# Allegro board SDHCalFEB.brd (continued)
## Routing (per net, layer and track width the routed paths; a pad name or vN(x,y) marks a point on that pad's centre or on a via; arc(x,y) is an arc through that point) (continued)
ANALOGIN61_ASIC_C4: length 47.8
  TOP w0.127: U780.53 54.19,114.04 61.48,106.75 C1018.2
ANALOGIN62_ASIC_A1: length 35
  TOP w0.127: U65.54 294.87,274.09 300.71,268.25 C62.2
ANALOGIN62_ASIC_A2: length 34.6
  TOP w0.127: U130.54 214.86,274.75 221.37,268.24 C149.2
ANALOGIN62_ASIC_A3: length 34.7
  TOP w0.127: C236.2 141.29,268.19 134.85,274.63 U195.54
ANALOGIN62_ASIC_A4: length 34.5
  TOP w0.127: C323.2 61.46,268.24 54.84,274.86 U260.54
ANALOGIN62_ASIC_B1: length 35.2
  TOP w0.127: C410.2 300.33,188.24 294.87,193.7 U325.54
ANALOGIN62_ASIC_B5: length 35
  TOP w0.127: U390.54 214.86,194.06 220.67,188.24 C497.2
ANALOGIN62_ASIC_B6: length 35
  TOP w0.127: U455.54 134.85,193.96 140.53,188.27 C584.2
ANALOGIN62_ASIC_B7: length 35
  TOP w0.127: U520.54 54.84,194.03 60.6,188.27 C671.2
ANALOGIN62_ASIC_C1: length 35
  TOP w0.127: U585.54 294.87,113.89 300.5,108.26 C758.2
ANALOGIN62_ASIC_C2: length 35.1
  TOP w0.127: C845.2 220.47,108.26 214.86,113.87 U650.54
ANALOGIN62_ASIC_C3: length 34.9
  TOP w0.127: U715.54 134.85,114.17 140.74,108.28 C932.2
ANALOGIN62_ASIC_C4: length 34.8
  TOP w0.127: U780.54 54.84,114.35 60.92,108.27 C1019.2
ANALOGIN63_ASIC_A1: length 22.1
  TOP w0.127: U65.55 295.52,274.41 300.22,269.71 C63.2
ANALOGIN63_ASIC_A2: length 21.7
  TOP w0.127: C150.2 220.84,269.74 215.51,275.07 U130.55
ANALOGIN63_ASIC_A3: length 21.8
  TOP w0.127: C237.2 140.66,269.67 135.5,274.84 U195.55
ANALOGIN63_ASIC_A4: length 21.7
  TOP w0.127: U260.55 55.49,275.04 60.79,269.74 C324.2
ANALOGIN63_ASIC_B1: length 22.3
  TOP w0.127: U325.55 295.52,193.94 299.72,189.74 C411.2
ANALOGIN63_ASIC_B5: length 22.1
  TOP w0.127: U390.55 215.51,194.22 219.99,189.74 C498.2
ANALOGIN63_ASIC_B6: length 22.1
  TOP w0.127: C585.2 139.9,189.77 135.5,194.17 U455.55
ANALOGIN63_ASIC_B7: length 22.1
  TOP w0.127: U520.55 55.49,194.32 60.04,189.77 C672.2
ANALOGIN63_ASIC_C1: length 22.1
  TOP w0.127: C759.2 299.87,109.76 295.52,114.11 U585.55
ANALOGIN63_ASIC_C2: length 22.2
  TOP w0.127: U650.55 215.51,114.03 219.81,109.73 C846.2
ANALOGIN63_ASIC_C3: length 22.1
  TOP w0.127: C933.2 140.05,109.76 135.5,114.31 U715.55
ANALOGIN63_ASIC_C4: length 21.9
  TOP w0.127: C1020.2 60.34,109.77 55.49,114.62 U780.55
ANALOGIN64_ASIC_A1: length 14.9
  TOP w0.127: U65.56 296.17,274.7 300.11,270.76 C64.2
ANALOGIN64_ASIC_A2: length 14.6
  TOP w0.127: C151.2 220.59,270.78 216.16,275.21 U130.56
ANALOGIN64_ASIC_A3: length 14.6
  TOP w0.127: U195.56 136.15,275.13 140.58,270.7 C238.2
ANALOGIN64_ASIC_A4: length 14.6
  TOP w0.127: C325.2 60.59,270.73 56.14,275.18 U260.56
ANALOGIN64_ASIC_B1: length 15
  TOP w0.127: U325.56 296.17,194.23 299.69,190.71 C412.2
ANALOGIN64_ASIC_B5: length 15
  TOP w0.127: U390.56 216.16,194.48 219.96,190.68 C499.2
ANALOGIN64_ASIC_B6: length 15
  TOP w0.127: C586.2 139.82,190.71 136.15,194.38 U455.56
ANALOGIN64_ASIC_B7: length 14.9
  TOP w0.127: C673.2 60.02,190.71 56.14,194.59 U520.56
ANALOGIN64_ASIC_C1: length 15
  TOP w0.127: C760.2 299.79,110.72 296.17,114.35 U585.56
ANALOGIN64_ASIC_C2: length 15
  TOP w0.127: U650.56 216.16,114.37 219.81,110.72 C847.2
ANALOGIN64_ASIC_C3: length 14.9
  TOP w0.127: C934.2 140.03,110.7 136.15,114.58 U715.56
ANALOGIN64_ASIC_C4: length 14.7
  TOP w0.127: U780.56 56.14,114.91 60.36,110.68 C1021.2
ANALOGPOWERGOOD: length 26.7
  TOP w0.127: U1076.4 377.66,102.42 v1(377.39,102.16) ; R2597.2 D7.1 v1(365.05,89.76)
  SIG1 w0.127: v1(377.39,102.16) 377.39,93.19 376.5,92.3 367.59,92.3 v1(365.05,89.76)
AUTO_CALIA: length 670.7
  TOP w0.127: v2(245.97,273.81) R152.1 ; v2(313.33,115.03) R734.1 ; R1151.1 v2(243.71,34.87) ; R68.1 v2(315.4,273.02) R69.1 ; v2(245.75,194.89) R485.1 ; v2(314.2,194.89) R401.1 ; R1359.1 v1(191.47,344.81) ; R1067.1 v1(306.63,34.16) ; v2(245.34,114.49) R818.1
  GND1 w0.127: v3(312.6,115.03) v2(313.33,115.03) ; v3(315.4,272.29) v2(315.4,273.02) ; v2(245.97,273.81) v3(246.71,273.81) ; v2(243.71,34.87) v3(244.45,34.87) ; v3(246.08,114.49) v2(245.34,114.49) ; v3(313.46,194.89) v2(314.2,194.89) ; v3(246.48,194.89) v2(245.75,194.89)
  SIG1 w0.127: v1(191.47,344.81) 219.91,316.36 219.91,311.73 227.36,304.29 227.36,284.89 235.43,276.81 243.71,276.81 v3(246.71,273.81) 248.58,271.94 248.58,196.98 v3(246.48,194.89) 246.48,149.5 246.61,149.38 246.61,115.03 v3(246.08,114.49) 246.08,49.3 244.45,47.68 v3(244.45,34.87) 247.87,31.45 303.91,31.45 v1(306.63,34.16) 308.2,35.74 308.2,110.63 v3(312.6,115.03) 312.6,120.7 308.76,124.54 308.76,182.5 313.46,187.2 v3(313.46,194.89) 313.46,200.38 305.97,207.87 305.97,262.85 v3(315.4,272.29)
AUTO_CALIB: length 674.9
  TOP w0.127: v2(166.27,195.06) R568.1 ; v2(85.83,194.06) R651.1 ; R1361.1 v1(191.11,354.1) ; v2(164.77,274.29) R235.1 ; R403.1 76.96,272.32 v2(76.96,273.28) R318.1 ; v2(86.11,113.49) R984.1 ; R1234.1 v2(165.28,34.36) ; R1317.1 v2(85.47,34.38) ; v2(165.68,115.31) R901.1
  GND1 w0.127: v2(164.77,274.29) v3(165.51,274.29) ; v2(166.27,195.06) v3(165.53,195.06) ; v2(165.28,34.36) v3(166.01,34.36) ; v2(165.68,115.31) v3(165.68,116.04) ; v3(76.96,272.54) v2(76.96,273.28) ; v2(85.47,34.38) v3(86.21,34.38) ; v2(85.83,194.06) v3(85.83,193.32) ; v3(85.37,113.49) v2(86.11,113.49)
  SIG1 w0.127: v1(191.11,354.1) 187.71,350.7 187.71,296.49 v3(165.51,274.29) 165.51,195.09 v3(165.53,195.06) 164.62,194.15 164.62,146.13 165.68,145.06 v3(165.68,116.04) 163.88,114.24 163.88,43.18 166.01,41.05 v3(166.01,34.36) 162.52,30.86 88.39,30.86 86.2,33.05 86.2,34.38 ; 86.2,34.38 v3(86.21,34.38) ; 86.2,34.38 86.2,62.69 84.48,64.41 84.48,112.6 v3(85.37,113.49) 85.37,192.86 v3(85.83,193.32) 85.48,193.66 85.48,264.02 v3(76.96,272.54)
CALI_CS#: length 203.3
  TOP w0.127: J35.B26 369.26,257.94 356.54,270.66 356.54,332.82 332.87,356.49 269.54,356.49 268.74,355.69 U1044.3
CALI_DIN: length 197.7
  TOP w0.127: J35.A25 v1(394.75,256.67) ; v1(271.28,352.71) U1044.1
  SIG3 w0.127: v1(394.75,256.67) 394.14,256.06 368.45,256.06 354.84,269.67 354.84,324.36 326.49,352.71 v1(271.28,352.71)
CALI_EXT_ASIC_A1: length 9.4
  TOP w0.127: C66.1 336.18,315.04 336.19,315.05 R71.1 341.65,315.05 J1.1
CALI_EXT_ASIC_A2: length 6.5
  TOP w0.127: J3.1 251.77,327.01 R154.1 251.76,325.52 C153.1
CALI_EXT_ASIC_A3: length 6.2
  TOP w0.127: C240.1 R237.1 J5.1
CALI_EXT_ASIC_A4: length 6.5
  TOP w0.127: J7.1 R320.1 92.43,325.59 C327.1
CALI_EXT_ASIC_B1: length 6.3
  TOP w0.127: J9.1 R404.1 333.01,245.65 C414.1
CALI_EXT_ASIC_B5: length 6.1
  TOP w0.127: C501.1 251.82,246.21 251.81,246.21 R487.1 J11.1
CALI_EXT_ASIC_B6: length 6.9
  TOP w0.127: C588.1 170.97,247.11 R570.1 J13.1
CALI_EXT_ASIC_B7: length 6.5
  TOP w0.127: J15.1 R653.1 91.44,247.23 C675.1
CALI_EXT_ASIC_C1: length 6.4
  TOP w0.127: J17.1 R737.1 332.87,167.17 C762.1
CALI_EXT_ASIC_C2: length 6.8
  TOP w0.127: C849.1 251.98,165.75 R820.1 J19.1
CALI_EXT_ASIC_C3: length 6.1
  TOP w0.127: C935.1 172.1,165.37 R903.1 J21.1
CALI_EXT_ASIC_C4: length 6.2
  TOP w0.127: C1022.1 91.69,165.63 R986.1 J23.1
CALI_EXT_ASIC_D1: length 6.3
  TOP w0.127: C1109.1 332.4,85.66 R1070.1 J25.1
CALI_EXT_ASIC_D2: length 6.1
  TOP w0.127: C1197.1 251.43,85.46 R1153.1 J27.1
CALI_EXT_ASIC_D3: length 6.2
  TOP w0.127: J29.1 R1236.1 172.43,85.31 C1284.1
CALI_EXT_ASIC_D4: length 6.1
  TOP w0.127: C1371.1 91.84,85.64 R1319.1 J31.1
CALI_SCK: length 200.9
  TOP w0.127: U1044.2 v1(270.01,355.05) ; J35.A27 v1(394.75,259.21)
  SIG3 w0.127: v1(270.01,355.05) 330.78,355.05 357,328.83 357,269.88 366.37,260.5 393.46,260.5 v1(394.75,259.21)
CALI_SIGNAL_A: length 6.7
  TOP w0.127: U1042.3 212.98,345.58 R1358.1 213,345.57 C1396.1 ; U1043.2 215.12,345.54 C1396.1 ; C1396.1 215.16,345.57 R1346.1
CALI_SIGNAL_B: length 7.3
  TOP w0.127: C1397.1 214.7,352.59 U1046.2 ; C1397.1 211.81,352.57 R1360.1 211.79,352.59 U1047.3 ; C1397.1 214.73,352.58 R1353.1
CALI_SW_A: length 251.5
  TOP w0.127: U1043.4 215.57,342.77 236.6,342.77 238.89,340.49 346.84,340.49 355.52,331.8 355.52,270.08 370.2,255.4 J35.B24
CALI_SW_B: length 255.3
  TOP w0.127: J35.A29 v1(394.75,261.75) ; v1(215.65,357.58) U1046.4
  SIG3 w0.127: v1(215.65,357.58) 332.92,357.58 359.26,331.24 359.26,272.01 368.77,262.5 394.14,262.5 394.75,261.89 v1(394.75,261.75)
CHIPSATB_A: length 358.2
  TOP w0.127: v2(233.4,302.72) U130.108 ; U65.108 315.59,302.72 315.6,302.72 v2(315.87,302.72) ; U195.108 154.57,302.72 v2(153.39,302.72) ; U260.108 v2(73.38,302.72) ; v1(391.92,242.7) J35.B14
  TOP w0.508: R80.2 390.29,242.7 v1(391.92,242.7)
  GND1 w0.127: v3(316.61,302.71) 316.31,302.71 316.3,302.72 v2(315.87,302.72) ; v2(73.38,302.72) v3(74.12,302.72) ; v3(234.14,302.72) v2(233.4,302.72) ; v3(154.13,302.72) v2(153.39,302.72)
  SIG1 w0.127: v1(391.92,242.7) 390.93,243.69 381.3,243.69 345.11,279.88 345.11,282.65 324.23,303.53 317.73,303.53 316.92,302.72 316.61,302.72 v3(316.61,302.71)
  SIG2 w0.127: v3(74.12,302.72) 110.65,302.72 111.76,303.83 122,303.83 123.09,302.74 127.94,302.74 128.7,303.5 152.04,303.5 152.83,302.72 v3(154.13,302.72) 158.4,302.72 158.6,302.92 202.72,302.92 202.97,302.67 209.09,302.67 209.67,303.25 231.62,303.25 232.15,302.72 v3(234.14,302.72) 237.82,302.72 238.13,303.02 282.63,303.02 283.18,302.46 287.81,302.46 288.52,303.17 311.68,303.17 312.14,302.72 316.3,302.72 316.31,302.71 v3(316.61,302.71)
CHIPSATB_B: length 339.4
  TOP w0.127: U390.108 v2(235.76,222.71) ; U520.108 v2(73.38,222.71) ; U455.108 154.57,222.71 v2(153.39,222.71) ; J34.B34 v1(391.85,204.35) ; U325.108 v2(316.43,222.71)
  TOP w0.508: v1(391.85,204.35) 390.35,204.35 R413.2
  GND1 w0.127: v2(316.43,222.71) v3(317.17,222.71) ; v2(235.76,222.71) 235.76,222.71 236.17,222.71 236.17,222.71 v3(236.5,222.71) ; v2(153.39,222.71) v3(154.13,222.71) ; v2(73.38,222.71) v3(74.12,222.71)
  SIG1 w0.127: v1(391.85,204.35) 390.99,205.21 375.82,205.21 362.36,218.67 358.19,218.67 353.39,223.47 317.96,223.47 317.2,222.71 v3(317.17,222.71)
  SIG2 w0.127: v3(74.12,222.71) 74.18,222.77 126.35,222.77 126.72,223.14 152.17,223.14 152.6,222.71 v3(154.13,222.71) 185.7,222.71 185.98,222.99 202.74,222.99 202.95,222.78 209.65,222.78 210.16,223.29 231.42,223.29 232,222.71 236.17,222.71 236.17,222.71 v3(236.5,222.71) 249.58,222.71 250.7,221.59 273.2,221.59 274.17,222.55 285.42,222.55 286.35,221.63 303.8,221.63 304.88,222.71 v3(317.17,222.71)
CHIPSATB_C: length 347.9
  TOP w0.127: J34.B14 v1(391.92,178.95) ; U650.108 v2(233.4,142.7) ; U715.108 v2(153.39,142.7) ; v2(317.12,142.7) U585.108 ; U780.108 v2(73.38,142.7)
  TOP w0.508: v1(391.92,178.95) 390.45,178.95 R746.2
  GND1 w0.127: v2(317.12,142.7) v3(317.86,142.7) ; v2(73.38,142.7) v3(74.12,142.7) ; v2(233.4,142.7) v3(234.14,142.7) ; v2(153.39,142.7) v3(154.13,142.7)
  SIG1 w0.127: v1(391.92,178.95) 391.08,178.1 383.18,178.1 346.71,141.63 333.18,141.63 333.17,141.63 332.7,141.63 332.7,141.63 330.12,141.63 v3(329.64,141.15)
  SIG2 w0.127: v3(74.12,142.7) 105.21,142.7 105.56,143.05 124.26,143.05 124.54,142.77 126.09,142.77 126.39,143.08 151.92,143.08 152.3,142.7 v3(154.13,142.7) 190.53,142.7 190.91,143.08 203.89,143.08 204.19,142.77 206.81,142.77 207.62,143.59 231.65,143.59 232.53,142.7 v3(234.14,142.7) 240.46,142.7 240.89,143.13 281.71,143.13 282.22,142.62 286.82,142.62 287.33,143.13 310.06,143.13 310.49,142.7 v3(317.86,142.7) 319.48,142.7 319.81,143.03 325.68,143.03 327.56,141.15 v3(329.64,141.15)
CHIPSATB_D: length 360.4
  TOP w0.127: U1040.108 v2(75.74,62.69) ; J33.B22 v1(391.92,125.35) ; U975.108 v2(155.75,62.69) ; U910.108 v2(235.76,62.69) ; U845.108 v2(318.77,62.69)
  TOP w0.508: v1(391.92,125.35) 391.91,125.36 R1079.2
  GND1 w0.127: v2(155.75,62.69) v3(156.49,62.69) ; v2(235.76,62.69) v3(236.5,62.69) ; v2(75.74,62.69) v3(76.48,62.69) ; v2(318.77,62.69) v3(319.51,62.69)
  SIG1 w0.127: v1(391.92,125.35) 379.61,125.35 352.37,98.12 352.37,90.6 327.13,65.35 322.17,65.35 319.51,62.69 v3(319.51,62.69)
  SIG2 w0.127: v3(76.48,62.69) 106.58,62.69 107.09,63.2 122.58,63.2 123.09,62.69 127.87,62.69 128.17,62.99 152.55,62.99 152.86,62.69 v3(156.49,62.69) 188.88,62.69 189.23,63.04 203.08,63.04 203.43,62.69 207.14,62.69 207.53,63.08 231.67,63.08 232.05,62.69 v3(236.5,62.69) 266.93,62.69 267.28,63.04 283.08,63.04 283.36,62.76 287.35,62.76 287.63,63.04 312.04,63.04 312.39,62.69 v3(319.51,62.69)
CHIPSATB_E: length 1.7
  TOP w0.127: J33.A7 v1(394.75,106.3)
  BOTTOM w0.127: v1(394.75,106.3) 395.7,106.3 R1337.1
CK_5N: length 42.5
  TOP w0.102: U1055.7 353.21,173.25 353.73,172.73 362.09,172.73 366.56,168.26 392.17,168.26 J34.B6
CK_5N_A: length 284.6
  TOP w0.102: U130.98 235.53,296.22 235.75,296 236.2,296 v2(236.49,296.3) ; U65.98 313.64,296.22 313.43,296 312.9,296 v2(312.6,296.3) ; U260.98 75.51,296.22 75.73,296 76.18,296 v2(76.47,296.3) 76.76,296.01 78.64,296.01 R324.1 ; R2601.1 340.59,294.5 340.41,294.68 v2(340.41,295.12) ; v2(156.48,296.3) 156.18,296 155.74,296 155.52,296.22 U195.98
  GND1 w0.102: v2(236.49,296.3) 236.79,296 237.5,296 v3(237.87,296.37) ; v2(76.47,296.3) 76.77,296 77.4,296 v3(77.77,296.38) ; v2(312.6,296.3) 312.9,296 313.66,296 v3(314.04,296.37) ; v3(157.91,296.37) 157.54,296 156.78,296 v2(156.48,296.3) ; v3(339.7,295.88) 339.7,295.39 339.92,295.17 340.36,295.17 v2(340.41,295.12)
  SIG2 w0.102: v3(339.7,295.88) 339.19,295.88 339.03,296.05 339.02,296.05 314.36,296.05 v3(314.04,296.37) 313.67,296.01 312.67,296.01 312.06,295.4 243.54,295.4 242.93,296 238.24,296 v3(237.87,296.37) 237.5,296 158.29,296 v3(157.91,296.37) 157.54,296 157.44,296 78.14,296 v3(77.77,296.38)
CK_5N_B: length 287.8
  TOP w0.102: U390.98 233.63,216.21 233.42,215.99 232.97,215.99 v2(232.67,216.29) ; v2(336.91,214.95) 337.21,214.65 337.75,214.65 337.85,214.75 337.85,215.19 337.95,215.29 R2609.1 ; R657.1 77.33,215.99 75.73,215.99 75.51,216.21 U520.98 73.61,216.21 73.4,215.99 72.95,215.99 v2(72.65,216.29) ; v2(152.58,216.29) 152.88,215.99 153.41,215.99 153.62,216.21 U455.98 ; v2(312.68,216.29) 312.98,215.99 313.43,215.99 313.64,216.21 U325.98
  GND1 w0.102: v3(151.37,216.36) 151.74,215.99 152.29,215.99 v2(152.58,216.29) ; v2(312.68,216.29) 312.38,215.99 311.62,215.99 v3(311.25,216.36) ; v3(231.55,216.36) 231.92,215.99 232.37,215.99 v2(232.67,216.29) ; v3(71.46,216.36) 71.83,215.99 72.35,215.99 v2(72.65,216.29) ; v2(336.91,214.95) 336.61,214.65 335.85,214.65 v3(335.48,215.02)
  SIG2 w0.102: v3(335.48,215.02) 335.11,214.65 321.9,214.65 320.54,216.01 311.6,216.01 v3(311.25,216.36) 310.88,215.99 231.92,215.99 v3(231.55,216.36) 231.18,215.99 151.74,215.99 v3(151.37,216.36) 151,215.99 71.83,215.99 v3(71.46,216.36)
CK_5N_C: length 263.7
  TOP w0.102: U715.98 153.62,136.2 153.41,135.98 152.96,135.98 v2(152.66,136.28) ; v2(312.68,136.28) 312.98,135.98 313.43,135.98 313.65,136.2 U585.98 315.54,136.2 315.76,135.98 318.66,135.98 R2617.1 ; v2(232.67,136.28) 232.97,135.98 233.42,135.98 233.64,136.2 U650.98 ; v2(72.65,136.28) 72.95,135.98 73.4,135.98 73.61,136.2 U780.98 75.51,136.2 75.73,135.98 77.56,135.98 R990.1
  GND1 w0.102: v2(232.67,136.28) 232.37,135.98 231.83,135.98 v3(231.45,136.35) ; v2(72.65,136.28) 72.35,135.98 71.9,135.98 v3(71.53,136.35) ; v3(151.54,136.35) 151.91,135.98 152.36,135.98 v2(152.66,136.28) ; v2(312.68,136.28) 312.38,135.98 311.93,135.98 v3(311.56,136.35)
  SIG2 w0.102: v3(71.53,136.35) 71.9,135.98 151.17,135.98 v3(151.54,136.35) 151.91,135.98 231.08,135.98 v3(231.45,136.35) 231.83,135.98 311.19,135.98 v3(311.56,136.35)
CK_5N_D: length 269.7
  TOP w0.102: v2(72.65,56.27) 72.95,55.97 73.4,55.97 73.61,56.19 U1040.98 75.51,56.19 75.73,55.97 78.2,55.97 R1323.1 ; v2(152.66,56.27) 152.96,55.97 153.41,55.97 153.63,56.19 U975.98 ; R2625.1 323.79,55.41 318.96,55.41 318.4,55.97 315.76,55.97 315.54,56.19 U845.98 313.65,56.19 313.43,55.97 312.98,55.97 v2(312.68,56.27) ; v2(232.67,56.27) 232.97,55.97 233.42,55.97 233.64,56.19 U910.98
  GND1 w0.102: v2(312.68,56.27) 312.38,55.97 311.93,55.97 v3(311.56,56.34) ; v3(71.53,56.34) 71.9,55.97 72.35,55.97 v2(72.65,56.27) ; v3(151.54,56.34) 151.91,55.97 152.36,55.97 v2(152.66,56.27) ; v2(232.67,56.27) 232.37,55.97 231.92,55.97 v3(231.55,56.34)
  SIG2 w0.102: v3(71.53,56.34) 71.9,55.97 151.17,55.97 v3(151.54,56.34) 151.91,55.97 231.18,55.97 v3(231.55,56.34) 231.92,55.97 311.19,55.97 v3(311.56,56.34)
CK_5P: length 42.5
  TOP w0.102: J34.B5 392.17,168.04 366.47,168.04 362,172.52 353.75,172.52 353.21,171.98 U1055.6
CK_5P_A: length 284.5
  TOP w0.102: U130.97 235.53,295.57 235.75,295.79 236.2,295.79 v2(236.49,295.49) ; U65.97 313.64,295.57 313.43,295.79 312.9,295.79 v2(312.6,295.49) ; R324.2 78.65,295.8 76.78,295.8 v2(76.47,295.49) 76.18,295.79 75.73,295.79 75.51,295.57 U260.97 ; v2(339.84,294.55) 340.24,294.55 340.46,294.33 R2602.1 ; v2(156.48,295.49) 156.18,295.79 155.74,295.79 155.52,295.57 U195.97
  GND1 w0.102: v2(312.6,295.49) 312.9,295.79 313.66,295.79 v3(314.04,295.42) ; v3(77.77,295.42) 77.4,295.79 76.77,295.79 v2(76.47,295.49) ; v3(157.91,295.42) 157.54,295.79 156.78,295.79 v2(156.48,295.49) ; v3(237.87,295.42) 237.5,295.79 236.79,295.79 v2(236.49,295.49) ; v2(339.84,294.55) 339.84,294.95 339.58,295.21 v3(339.02,295.21)
  SIG2 w0.102: v3(339.02,295.21) 339.02,295.75 338.94,295.83 314.45,295.83 v3(314.04,295.42) 313.65,295.8 312.76,295.8 312.15,295.19 243.45,295.19 242.85,295.79 238.24,295.79 v3(237.87,295.42) 237.5,295.79 158.29,295.79 v3(157.91,295.42) 157.54,295.79 157.53,295.79 78.14,295.79 v3(77.77,295.42)
CK_5P_B: length 287.8
  TOP w0.102: U455.97 153.62,215.56 153.41,215.78 152.88,215.78 v2(152.58,215.48) ; R657.2 77.37,215.78 75.73,215.78 75.51,215.56 U520.97 73.61,215.56 73.4,215.78 72.95,215.78 v2(72.65,215.48) ; v2(312.68,215.48) 312.98,215.78 313.43,215.78 313.64,215.56 U325.97 ; R2610.1 337.95,213.79 337.85,213.89 337.85,214.33 337.75,214.43 337.21,214.43 v2(336.91,214.13) ; U390.97 233.63,215.56 233.42,215.78 232.97,215.78 v2(232.67,215.48)
  GND1 w0.102: v3(335.48,214.06) 335.85,214.43 336.61,214.43 v2(336.91,214.13) ; v2(312.68,215.48) 312.38,215.78 311.62,215.78 v3(311.25,215.4) ; v2(152.58,215.48) 152.29,215.78 151.74,215.78 v3(151.37,215.4) ; v3(71.46,215.4) 71.83,215.78 72.35,215.78 v2(72.65,215.48) ; v3(231.55,215.4) 231.92,215.78 232.37,215.78 v2(232.67,215.48)
  SIG2 w0.102: v3(71.46,215.4) 71.83,215.78 151,215.78 v3(151.37,215.4) 151.74,215.78 231.18,215.78 v3(231.55,215.4) 231.92,215.78 310.88,215.78 v3(311.25,215.4) 311.64,215.8 320.45,215.8 321.81,214.43 335.11,214.43 v3(335.48,214.06)
CK_5P_C: length 263.9
  TOP w0.102: v2(152.66,135.47) 152.96,135.77 153.41,135.77 153.62,135.55 U715.97 ; v2(312.68,135.47) 312.98,135.77 313.43,135.77 313.65,135.55 U585.97 315.54,135.55 315.76,135.77 318.64,135.77 319.23,135.18 R2618.1 ; v2(232.67,135.47) 232.97,135.77 233.42,135.77 233.64,135.55 U650.97 ; R990.2 77.54,135.77 75.73,135.77 75.51,135.55 U780.97 73.61,135.55 73.4,135.77 72.95,135.77 v2(72.65,135.47)
  GND1 w0.102: v2(312.68,135.47) 312.38,135.77 311.93,135.77 v3(311.56,135.4) ; v3(151.54,135.4) 151.91,135.77 152.36,135.77 v2(152.66,135.47) ; v2(232.67,135.47) 232.37,135.77 231.83,135.77 v3(231.45,135.4) ; v2(72.65,135.47) 72.35,135.77 71.9,135.77 v3(71.53,135.4)
  SIG2 w0.102: v3(311.56,135.4) 311.19,135.77 231.83,135.77 v3(231.45,135.4) 231.08,135.77 151.91,135.77 v3(151.54,135.4) 151.17,135.77 71.9,135.77 v3(71.53,135.4)
CK_5P_D: length 269.7
  TOP w0.102: v2(72.65,55.46) 72.95,55.76 73.4,55.76 73.61,55.54 U1040.97 75.51,55.54 75.73,55.76 78.18,55.76 R1323.2 ; v2(312.68,55.46) 312.98,55.76 313.43,55.76 313.65,55.54 U845.97 315.54,55.54 315.76,55.76 318.31,55.76 318.87,55.19 323.77,55.19 R2626.1 ; U910.97 233.64,55.54 233.42,55.76 232.97,55.76 v2(232.67,55.46) ; U975.97 153.62,55.54 153.41,55.76 152.96,55.76 v2(152.66,55.46)
  GND1 w0.102: v2(232.67,55.46) 232.37,55.76 231.92,55.76 v3(231.55,55.38) ; v2(72.65,55.46) 72.35,55.76 71.9,55.76 v3(71.53,55.38) ; v3(311.56,55.38) 311.93,55.76 312.38,55.76 v2(312.68,55.46) ; v2(152.66,55.46) 152.36,55.76 151.91,55.76 v3(151.54,55.38)
  SIG2 w0.102: v3(311.56,55.38) 311.19,55.76 231.92,55.76 v3(231.55,55.38) 231.18,55.76 151.91,55.76 v3(151.54,55.38) 151.17,55.76 71.9,55.76 v3(71.53,55.38)
CK_40N: length 51.5
  TOP w0.102: v1(354.43,184.81) 354.11,184.49 353.74,184.49 353.21,185.01 U1057.7 ; J34.A8 394.5,170.8 395.37,170.8 v1(395.67,171.1)
  SIG2 w0.102: v1(354.43,184.81) 354.72,184.52 364.71,184.52 378.43,170.8 395.37,170.8 v1(395.67,171.1)
CK_40N_A: length 291.2
  TOP w0.102: U65.100 315.54,297.52 315.76,297.3 316.52,297.3 v2(316.82,297.6) ; v2(72.65,297.6) 72.95,297.3 73.4,297.3 73.61,297.52 U260.100 75.51,297.52 75.72,297.31 77.07,297.31 R325.2 ; v2(152.35,297.6) 152.64,297.3 153.41,297.3 153.62,297.52 U195.100 ; U130.100 233.63,297.52 233.42,297.3 232.82,297.3 v2(232.52,297.6) ; R2599.1 343.62,296.76 343.01,296.76 342.57,297.21 342.37,297.21 v1(342.04,297.54)
  GND1 w0.102: v2(72.65,297.6) 72.95,297.3 73.59,297.3 v3(73.96,297.68) ; v2(232.52,297.6) 232.82,297.3 233.58,297.3 v3(233.95,297.67) ; v2(316.82,297.6) 316.52,297.3 315.76,297.3 v3(315.39,297.67) ; v3(153.78,297.67) 153.41,297.3 152.64,297.3 v2(152.35,297.6)
  SIG2 w0.102: v3(73.96,297.68) 74.33,297.3 153.41,297.3 v3(153.78,297.67) 154.15,297.3 154.29,297.3 233.58,297.3 v3(233.95,297.67) 234.32,297.3 243.84,297.3 244.83,296.32 312.06,296.32 313.04,297.29 315.01,297.29 v3(315.39,297.67) 315.83,297.23 341.73,297.23 v1(342.04,297.54)
CK_40N_B: length 279.3
  TOP w0.102: v2(156.48,217.59) 156.19,217.29 155.74,217.29 155.52,217.51 U455.100 ; R2607.1 334.78,217.58 334.67,217.47 334.67,217.04 334.57,216.94 334.09,216.94 v2(333.79,217.23) ; v2(316.6,217.59) 316.31,217.29 315.76,217.29 315.54,217.51 U325.100 ; U390.100 235.27,217.51 235.49,217.29 236.17,217.29 v2(236.47,217.59) ; U520.100 75.51,217.51 75.73,217.29 76.18,217.29 v2(76.47,217.59) 76.77,217.29 79.19,217.29 R658.2
  GND1 w0.102: v3(332.42,217.31) 332.79,216.94 333.49,216.94 v2(333.79,217.23) ; v2(156.48,217.59) 156.79,217.28 157.54,217.28 v3(157.92,217.66) ; v3(77.79,217.66) 77.42,217.29 76.77,217.29 v2(76.47,217.59) ; v2(316.6,217.59) 316.9,217.29 317.58,217.29 v3(317.95,217.66) ; v3(237.9,217.66) 237.53,217.29 236.77,217.29 v2(236.47,217.59)
  SIG2 w0.102: v3(332.42,217.31) 332.08,216.97 331.09,216.97 330.05,215.93 322,215.93 320.62,217.3 318.31,217.3 v3(317.95,217.66) 317.58,217.29 238.27,217.29 v3(237.9,217.66) 237.53,217.29 158.29,217.29 v3(157.92,217.66) 157.54,217.29 78.16,217.29 v3(77.79,217.66)
CK_40N_C: length 296.5
  TOP w0.102: v2(156.49,137.58) 156.19,137.28 155.74,137.28 155.52,137.5 U715.100 ; v2(328.43,167.68) 328.84,167.68 329.09,167.92 R2615.1 ; R991.2 79.35,137.28 76.87,137.28 v2(76.57,137.58) 76.28,137.28 75.73,137.28 75.51,137.5 U780.100 ; v2(236.54,137.58) 236.25,137.28 235.75,137.28 235.53,137.5 U650.100 ; v2(316.6,137.58) 316.31,137.28 315.76,137.28 315.54,137.5 U585.100
  GND1 w0.102: v2(156.49,137.58) 156.78,137.28 157.28,137.28 v3(157.65,137.65) ; v3(317.72,137.65) 317.35,137.28 316.9,137.28 v2(316.6,137.58) ; v3(237.76,137.65) 237.39,137.28 236.84,137.28 v2(236.54,137.58) ; v3(77.77,137.65) 77.39,137.28 76.87,137.28 v2(76.57,137.58) ; v3(327.37,166.72) 327.89,166.72 328.43,167.26 v2(328.43,167.68)
  SIG1 w0.102: v3(317.72,137.65) 318.1,137.28 318.87,137.28 323.6,142.01 323.6,162.42 327.37,166.2 v3(327.37,166.72)
  SIG2 w0.102: v3(317.72,137.65) 317.35,137.28 238.13,137.28 v3(237.76,137.65) 237.39,137.28 158.02,137.28 v3(157.65,137.65) 157.28,137.28 78.14,137.28 v3(77.77,137.65)
CK_40N_D: length 263
  TOP w0.102: U975.100 155.52,57.49 155.74,57.27 156.19,57.27 v2(156.49,57.57) ; U845.100 315.54,57.49 315.76,57.27 316.31,57.27 v2(316.6,57.57) 316.9,57.27 319.3,57.27 R2623.1 ; R1324.2 79.88,57.27 76.77,57.27 v2(76.48,57.57) 76.18,57.27 75.73,57.27 75.51,57.49 U1040.100 ; U910.100 235.53,57.49 235.75,57.27 236.2,57.27 v2(236.5,57.57)
  GND1 w0.102: v2(316.6,57.57) 316.9,57.27 317.35,57.27 v3(317.72,57.64) ; v3(157.6,57.64) 157.23,57.27 156.78,57.27 v2(156.49,57.57) ; v3(77.59,57.64) 77.22,57.27 76.77,57.27 v2(76.48,57.57) ; v2(236.5,57.57) 236.8,57.27 237.24,57.27 v3(237.62,57.64)
  SIG2 w0.102: v3(77.59,57.64) 77.97,57.27 157.23,57.27 v3(157.6,57.64) 157.98,57.27 237.24,57.27 v3(237.62,57.64) 237.99,57.27 317.35,57.27 v3(317.72,57.64)
CK_40P: length 51.5
  TOP w0.102: U1057.6 353.21,183.74 353.74,184.27 354.16,184.27 v1(354.43,184) ; v1(395.67,170.28) 395.37,170.58 394.5,170.58 J34.A7
  SIG2 w0.102: v1(354.43,184) 354.74,184.3 364.62,184.3 378.34,170.58 395.37,170.58 v1(395.67,170.28)
CK_40P_A: length 291.4
  TOP w0.102: v2(152.35,296.79) 152.64,297.09 153.41,297.09 153.62,296.87 U195.99 ; U65.99 315.54,296.87 315.76,297.09 316.52,297.09 v2(316.82,296.79) ; v1(342.04,296.72) 342.3,296.99 342.48,296.99 342.8,296.67 342.8,295.84 R2600.1 ; v2(232.52,296.79) 232.82,297.09 233.42,297.09 233.63,296.87 U130.99 ; v2(72.65,296.79) 72.95,297.09 73.4,297.09 73.61,296.87 U260.99 75.51,296.87 75.74,297.1 77.07,297.1 R325.1
  GND1 w0.102: v2(72.65,296.79) 72.95,297.09 73.59,297.09 v3(73.96,296.72) ; v3(153.78,296.72) 153.41,297.09 152.64,297.09 v2(152.35,296.79) ; v3(315.39,296.72) 315.76,297.09 316.52,297.09 v2(316.82,296.79) ; v2(232.52,296.79) 232.82,297.09 233.58,297.09 v3(233.95,296.72)
  SIG2 w0.102: v1(342.04,296.72) 341.74,297.01 315.74,297.01 315.71,297.04 v3(315.39,296.72) 315.02,297.08 313.13,297.08 312.15,296.1 244.74,296.1 243.75,297.09 234.32,297.09 v3(233.95,296.72) 233.58,297.09 154.38,297.09 154.38,297.09 154.15,297.09 v3(153.78,296.72) 153.4,297.09 74.33,297.09 v3(73.96,296.72)
